# Altium PCB SVEC.pcbdoc (part 6 of 18) (continued)
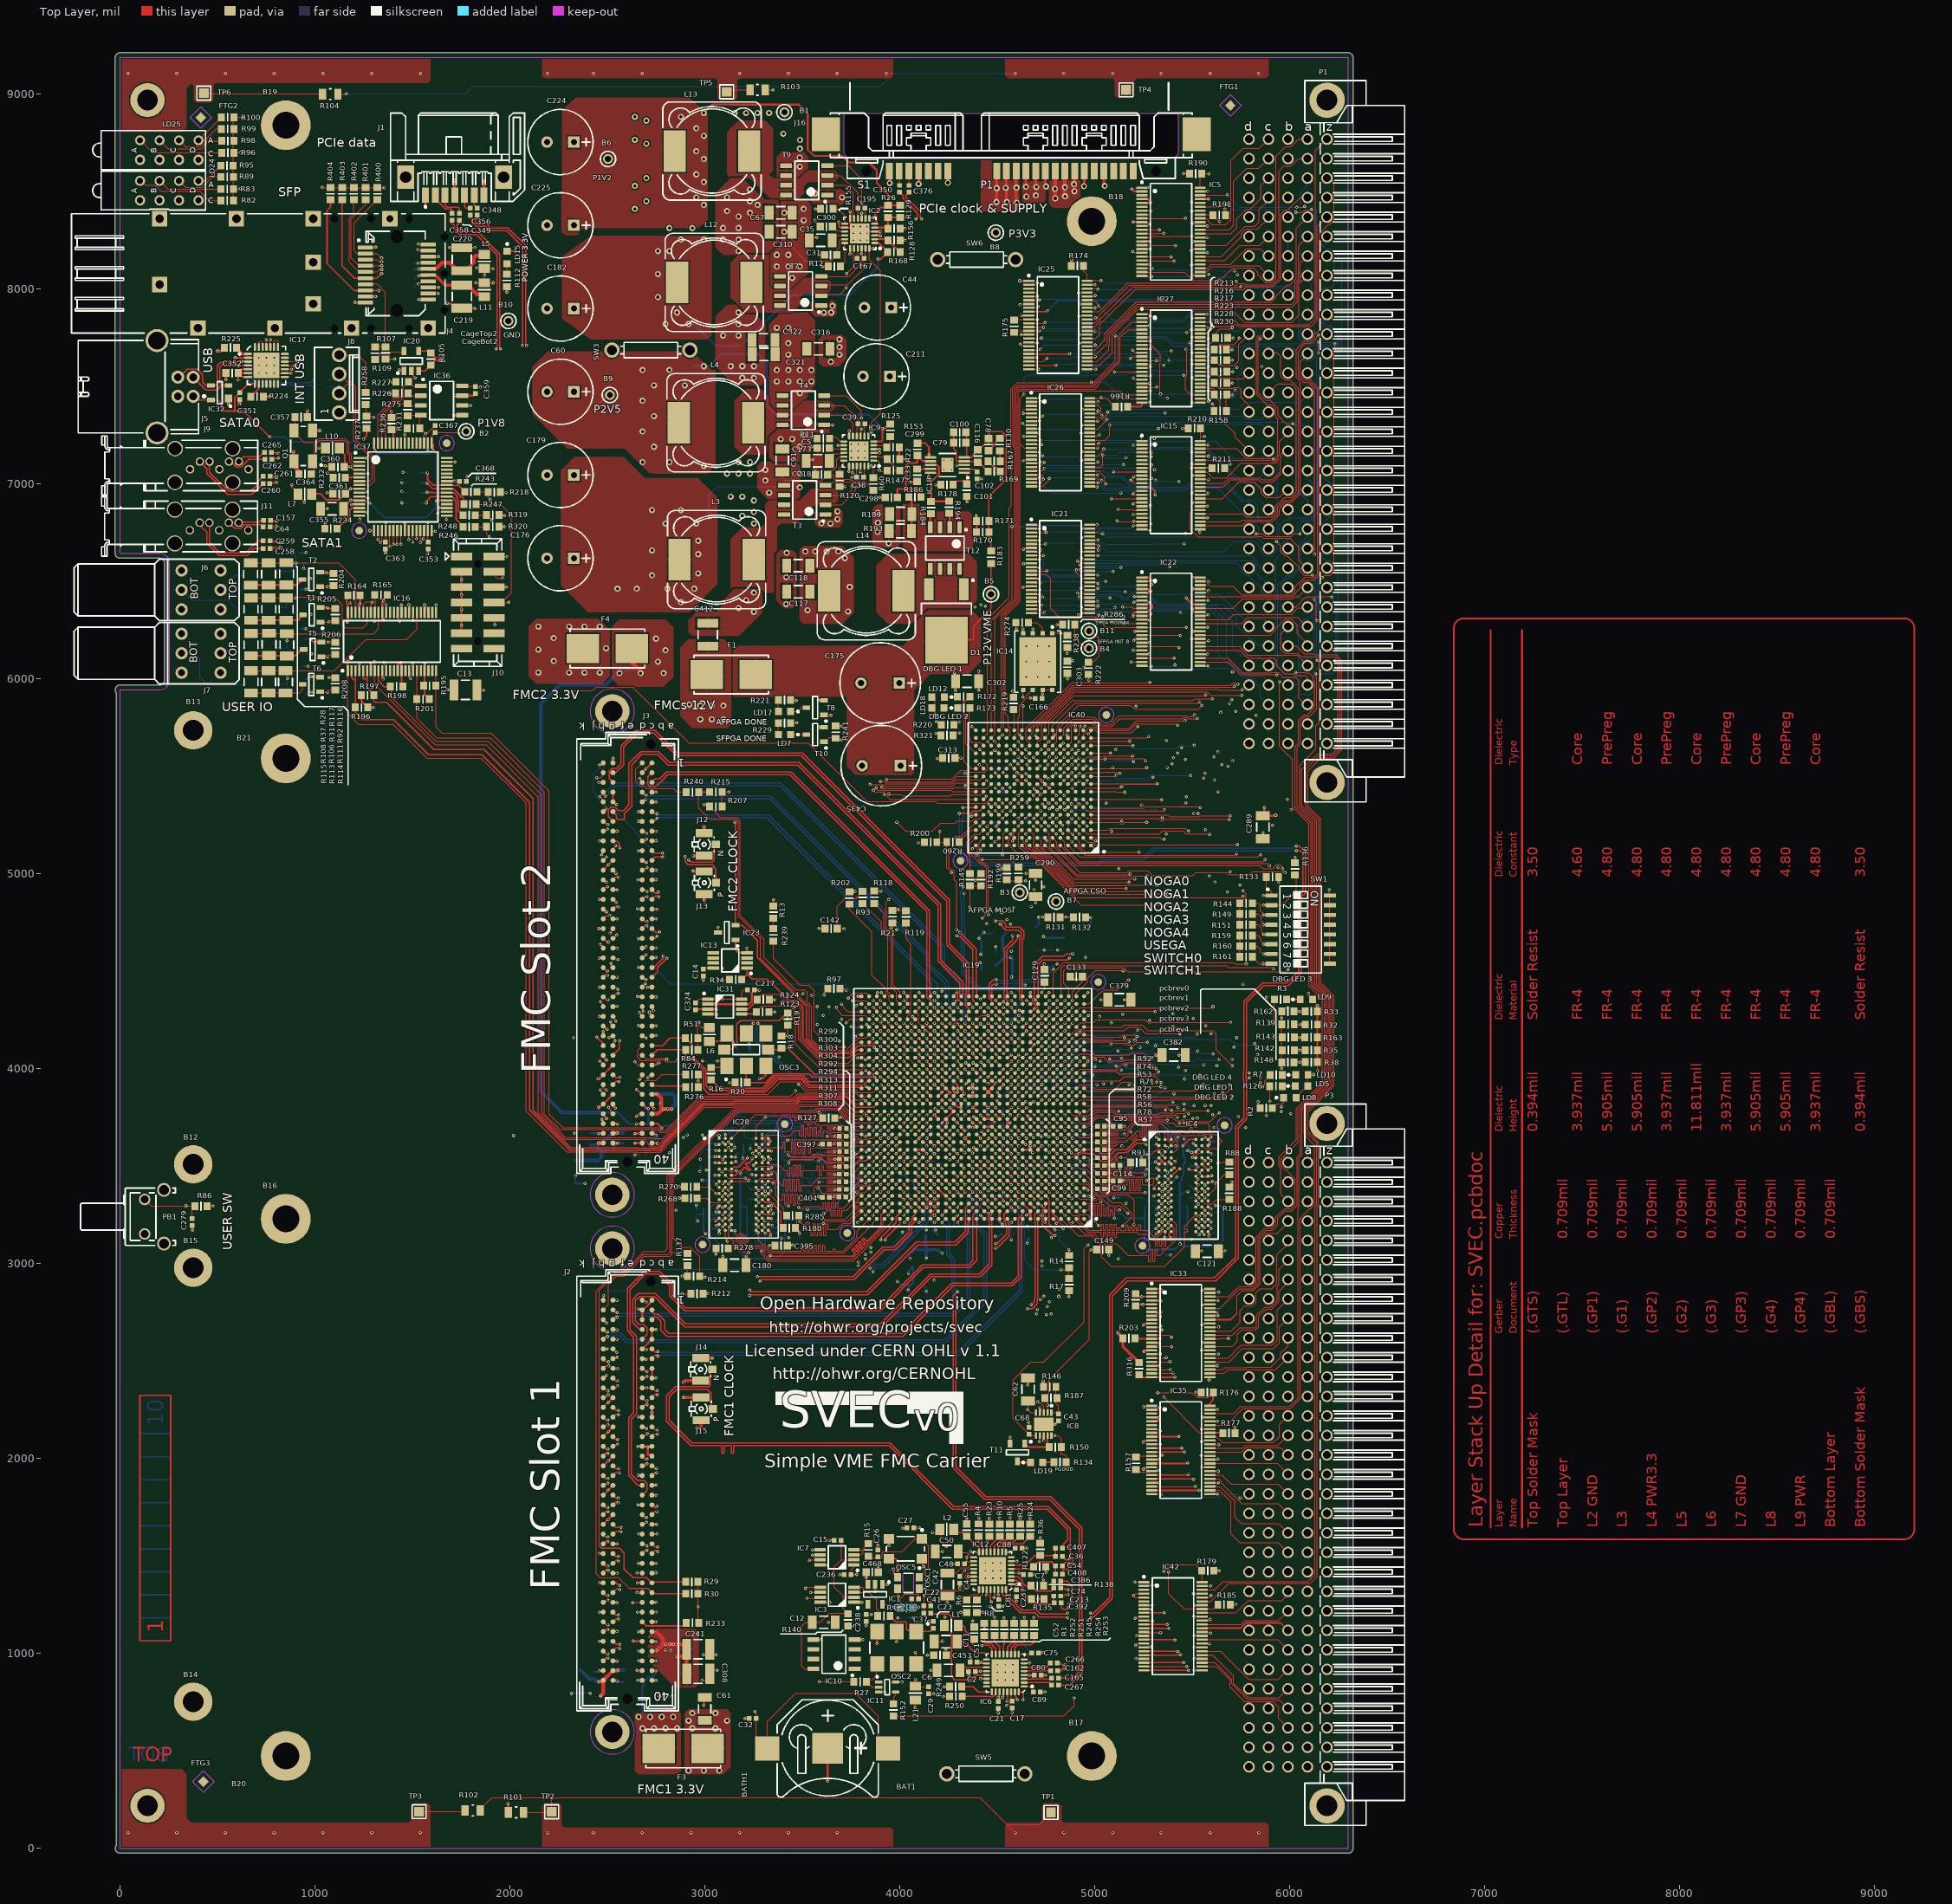
[diagram p0: Top Layer view]
## Nets (pads, with @x,y where several pads share a name; then routed paths per layer and width w, separated by ;. In a path a pad name is that pad's centre, name@x,y a point inside that pad or via, vN(x,y) a via of type N, cw(c..) or ccw(c..) an arc to the next point about the centre after c; other vN are vias at no path point) (continued)
  Bottom Layer w5: v1(2479.55,2835.51) v1@2483.84,2831.22 ; C390.2@2483.84,2814.51 v1@2483.84,2831.22 ; v1(4019.22,3406.81) 4026.1,3399.92 C387.2@4041.69,3399.92 ; C387.2@4043.55,3391.79 4043.55,3182.51 3849.93,2988.88 3840.6,2988.88 3840.36,2988.64 3837.49,2988.64 3819.49,2970.64 2716.92,2970.64 2607.78,2861.51 2502.55,2861.51 2483.55,2842.51 2483.84,2842.22 v1@2483.84,2831.22 ; v1@4298.55,3205.77 4298.55,3200.77 4308.82,3190.51 C18.2@4312.27,3190.51 ; v1@4651.55,3446.51 4667.18,3430.88 4667.18,3407.15 4692.52,3381.81 4694.47,3381.81 4712.55,3363.72 4712.55,3301.83 4706.69,3295.97 4706.69,3244.31 4751.36,3199.64 4762.14,3199.64 C378.1@4771.55,3190.22
FMC2_CLK0M2C_N: IC19.AG16 J3.h5 | length 2605.4
  Top Layer w6: v1(2460.55,5394.51) 2478.05,5377.01 J3.h5@2478.05,5368.51 ; v1@4346.55,4271.51 4346.55,4259.51 4352.8,4253.26 IC19.AG16@4353.87,4253.26
  Bottom Layer w6: v1(2460.55,5394.51) 2469.68,5403.63 2469.68,5405.32 2480.74,5416.38 2482.43,5416.38 ; 2482.45,5416.41 2489.65,5416.41 2538.76,5465.51 3389.39,5465.51 4229.43,4625.47 4229.43,4532.63 4339.55,4422.51 4345.55,4416.51 v1@4345.55,4270.51
  other v1: 4340.69,4270.64
FMC2_CLK0M2C_P: IC19.AF16 J3.h4 | length 2598.5
  Top Layer w6: J3.h4@2478.05,5418.51 2478.05,5408.01 v1(2488.55,5397.51) ; v1@4334.55,4226.51 4347.17,4213.89 IC19.AF16@4353.87,4213.89
  Bottom Layer w6: v1(2488.55,5397.51) 2490.55,5397.51 2544.55,5451.51 3383.59,5451.51 4215.43,4619.67 4215.43,4526.83 4331.55,4410.71 4331.55,4289.51 4330.87,4289.51 4321.76,4280.4 4321.76,4275.12 4319.81,4273.17 4319.81,4271.84 4321.76,4269.89 4321.76,4260.88 4330.87,4251.77 4331.87,4251.77 4334.55,4251.77 v1@4334.55,4226.51
  other v1: 4334.18,4233.58
FMC2_CLK1M2C_N: IC19.AK16 J3.g3 | length 2846.9
  Top Layer w6: J3.g3@2528.05,5468.51 2508.46,5488.1 2508.46,5526.62 2521.58,5539.75 2544.8,5539.75 2569.09,5564.04 2569.09,5655.84 2647.89,5734.64 2743.69,5734.64 2858.69,5619.64 3499.28,5619.64 4253.39,4865.53 4253.39,4639.94 4353.87,4539.46 IC19.AK16@4353.87,4371.37
FMC2_CLK1M2C_P: IC19.AH16 J3.g2 | length 2822.3
  Top Layer w6: J3.g2@2528.05,5518.51 2543.35,5518.51 2583.09,5558.24 2583.09,5650.04 2653.69,5720.64 2737.89,5720.64 2852.89,5605.64 3493.49,5605.64 4239.39,4859.74 4239.39,4634.14 4339.87,4533.66 4339.87,4385 4337.03,4382.16 4337.03,4325.03 4353.87,4308.18 IC19.AH16@4353.87,4292.63
FMC2_DP0C2M_N: IC19.AK21 J3.c3 | length 2188.8
  Top Layer w6: J3.c3@2728.05,5468.51 2745.05,5485.51 2766.89,5485.51 ; 2771.62,5490.24 2766.89,5485.51 ; IC19.AK21@4157.02,4371.37 4157.02,4384.51 4151.55,4389.97 4151.55,4811.57 3441.49,5521.64 2803.02,5521.64 2766.89,5485.51
FMC2_DP0C2M_P: IC19.AJ21 J3.c2 | length 2303.4
  Top Layer w6: J3.c2@2728.05,5518.51 2706.55,5497.01 2706.55,5456.51 2715.96,5447.1 2746.15,5447.1 2770.55,5471.51 2772.69,5471.51 2808.82,5507.64 3435.69,5507.64 4137.55,4805.77 4137.55,4367.02 4157.02,4347.55 IC19.AJ21@4157.02,4332
FMC2_DP0M2C_N: IC19.AH20 J3.c7 | length 1957.1
  Top Layer w6: J3.c7@2728.05,5268.51 2738.43,5268.51 v1(2753.55,5283.63) ; v1(4176.7,4312.32) IC19.AH20@4196.39,4292.63
  Bottom Layer w6: v1(2753.55,5283.63) 2758.43,5288.51 3316.55,5288.51 4159.55,4445.51 4159.55,4329.47 v1(4176.7,4312.32)
FMC2_DP0M2C_P: IC19.AG20 J3.c6 | length 2028.6
  Top Layer w6: J3.c6@2728.05,5318.51 2739.18,5307.38 v1(2753.55,5307.38) ; v1(4176.7,4272.95) IC19.AG20@4196.39,4253.26
  Bottom Layer w6: v1(2753.55,5307.38) 2758.43,5302.51 3323.55,5302.51 4191.69,4434.37 4191.69,4324.02 4195.58,4320.14 4195.58,4310.75 4195.69,4310.64 4195.69,4291.93 v1(4176.7,4272.95)
FMC2_E_CLK_N: C392.1 J13.1 | length 8544.7
  Top Layer w6: v1@2900.69,5087.64 2897.19,5084.14 2897.19,5061.14 2913.19,5045.14 3037,5045.14 3046.86,5035.28 3046.86,5031.64 3056.59,5021.91 J13.1@3056.59,4953.64 ; C392.1@4826.4,1259.64 4828.69,1257.36 4828.69,1232.64 4834.69,1226.64 4858.69,1226.64 4864.69,1232.64 v1(4864.69,1234.64)
  L3 w4: v1(2898.69,5088.64) 2900.69,5086.64 2885.69,5071.64 2765.83,5071.64 2737.96,5099.51 2546.96,5099.51 2510.83,5135.64 2302.55,5135.64 2195.69,5028.78 2195.69,965.36 2433.41,727.64 2577.72,727.64 2584.17,721.19 2839.38,721.19 2845.82,727.64 2890.82,772.64 3129.55,772.64 3245.55,656.64 4697.83,656.64 4797.69,756.5 4797.69,1213.51 4812.69,1228.51 4829.62,1228.51 4841.69,1240.57 4858.76,1240.57 v1(4864.69,1234.64)
FMC2_E_CLK_P: C386.1 J12.1 | length 8647.2
  Top Layer w6: v1(2916.07,5071.26) 2928.19,5059.14 3036.13,5059.14 3046,5069 3046,5140.91 J12.1@3055.73,5150.64 ; C386.1@4825.4,1371.64 4854.69,1371.64 4881.69,1344.64 4881.69,1268.64 4869.55,1256.51 v1(4865.69,1256.51)
  L3 w4: v1(2916.07,5071.26) 2906.44,5061.64 2761.69,5061.64 2733.82,5089.51 2542.82,5089.51 2506.69,5125.64 2306.69,5125.64 2205.69,5024.64 2205.69,969.51 2437.55,737.64 2581.87,737.64 2588.31,731.19 2835.23,731.19 2886.68,782.64 3133.69,782.64 3249.69,666.64 4693.69,666.64 4787.69,760.64 4787.69,1036.64 4787.69,1041.64 4747.69,1041.64 4747.69,1051.64 4787.69,1051.64 4787.69,1056.64 4787.69,1217.65 4808.55,1238.51 4825.48,1238.51 4837.55,1250.57 4859.76,1250.57 v1(4865.69,1256.51)
FMC2_GBTCLK0M2C_N: IC19.AH18 J3.d5 | length 2182.2
  Top Layer w6: v1(2696.55,5380.51) 2684.55,5368.51 J3.d5@2678.05,5368.51 2693.3,5383.76 2694.15,5384.61 2696.55,5384.61 v1@2700.65,5384.61 ; v1@4259.55,4308.51 4258.55,4309.51 4258.55,4309.21 IC19.AH18@4275.13,4292.63
  Bottom Layer w6: v1@2694.45,5378.41 v1(2696.55,5380.51) 2699.43,5383.38 3332.72,5383.38 4133.55,4582.54 4133.55,4536.71 4233.95,4436.31 4233.95,4329.31 4249.76,4313.51 4258.55,4313.51 4258.55,4309.51 v1@4259.55,4308.51
  other v1: 4255.44,4312.32
FMC2_GBTCLK0M2C_P: IC19.AG18 J3.d4 | length 2222.4
  Top Layer w6: J3.d4@2678.05,5418.51 2694.05,5402.51 2696.55,5402.51 v1(2698.55,5404.51) v1@2694.55,5404.51 ; 4261.55,4266.84 IC19.AG18@4275.13,4253.26
  Bottom Layer w6: v1@2694.55,5404.51 v1(2698.55,5404.51) 2703.68,5399.38 3336.51,5399.38 4147.55,4588.34 4147.55,4544.21 ; 4147.55,4542.51 4247.95,4442.11 4247.95,4335.11 4251.87,4331.19 4263.26,4331.19 4266.95,4327.51 4267.25,4327.51 4278.43,4316.32 4278.43,4291.38 v1@4261.55,4274.51
  other v1: 4255.44,4272.95
FMC2_LA_N0: IC19.AK17 J3.g7 | length 2883.2
  Top Layer w6: J3.g7@2528.05,5268.51 2504.46,5292.1 2504.46,5328.28 2518.28,5342.1 2537.83,5342.1 2555.22,5324.71 2582.62,5324.71 2609.69,5351.78 2609.69,5565.44 2670.89,5626.64 2761.69,5626.64 2817.69,5570.64 3481.49,5570.64 4209.69,4842.44 4209.69,4558.44 4321.69,4446.44 4321.69,4383.81 4314.5,4376.62 IC19.AK17@4314.5,4371.37
FMC2_LA_N1: IC19.AH8 J3.d9 | length 2681.5
  Top Layer w6: J3.d9@2678.05,5168.51 2690.43,5168.51 v1(2699.55,5177.63) ; IC19.AH8@4668.83,4292.63 4675.68,4292.63 v1(4688.55,4305.51)
  L8 w4: v1(2699.55,5177.63) 2699.55,5181.63 2705.43,5187.51 4241.55,5187.51 4682.43,4746.63 4682.43,4377.52 4671.69,4366.78 4671.69,4365.23 4664.69,4358.23 4664.69,4332.2 4670.55,4326.34 4671.99,4326.34 4688.55,4309.77 v1(4688.55,4305.51)
FMC2_LA_N2: IC19.AD11 J3.h8 | length 2866.9
  Top Layer w6: J3.h8@2478.05,5218.51 2488.55,5218.51 2497.8,5227.76 v1@2497.8,5230.76 ; v1(4531.03,4154.84) IC19.AD11@4550.72,4135.15
  L3 w4: v1(2500.69,5227.64) 2500.69,5217.64 2494.69,5211.64 2494.69,5200.64 2502.69,5192.64 2604.69,5192.64 2653.16,5241.11 2655.16,5243.11 2771.18,5243.11 2823.65,5190.64 3925.83,5190.64 4416.68,4699.79 4416.68,4693.76 4472.69,4637.75 4472.69,4570.64 4477.69,4565.64 4477.69,4188.5 4487.48,4178.71 4513.76,4178.71 4515.83,4176.64 4522.69,4176.64 4531.03,4168.29 v1(4531.03,4154.84)
FMC2_LA_N3: IC19.AF13 J3.g10 | length 2550.7
  Top Layer w6: J3.g10@2528.05,5118.51 2528.05,5128.01 v1@2542.69,5142.64 ; 4459.55,4228.51 4459.55,4226.32 IC19.AF13@4471.98,4213.89
  L3 w4: v1@2542.69,5142.64 2549.14,5149.09 3893.94,5149.09 4438.43,4604.6 4438.43,4576.62 4438.42,4247.45 v1(4452.29,4233.58)
  other v1: 2541.69,5143.64
FMC2_LA_N4: IC19.AK15 J3.h11 | length 2364
  Top Layer w6: J3.h11@2478.05,5068.51 2492.69,5083.14 v1(2492.69,5086.64) ; v1@4306.59,4699.54 4307.3,4698.82 4307.59,4698.54 4390.43,4615.7 4390.43,4410.74 4393.24,4407.93 IC19.AK15@4393.24,4371.37
  L3 w4: v1(2492.69,5086.64) 2500.69,5078.64 2606.12,5078.64 2744.12,4940.64 4035.14,4940.64 4276.15,4699.63 4302.55,4699.63 4306.7,4699.63 v1(4307.69,4698.64)
FMC2_LA_N5: IC19.AF11 J3.d12 | length 2556.5
  Top Layer w6: J3.d12@2678.05,5018.51 2687.55,5018.51 2702.55,5033.51 2702.55,5034.51 v1@2704.65,5032.41 ; 4539.55,4231.51 4539.55,4229.51 4535.55,4229.51 4534.55,4228.51 4536.11,4228.51 IC19.AF11@4550.72,4213.89
  L8 w4: v1@2701.69,5033.64 2705.55,5037.51 4253.17,5037.51 4278.43,5012.25 4278.43,4998.63 4280.43,4996.63 4280.43,4995.87 4328.92,4947.38 4329.3,4947.38 4337.43,4939.25 4337.43,4938.87 4468.68,4807.62 4468.68,4804.79 4483.84,4789.63 4487.43,4789.63 4533.55,4743.51 4533.55,4675.51 4543.12,4665.94 4543.12,4639.28 4541.68,4637.84 4541.68,4352 4544.91,4348.78 4544.91,4244.86 4534.55,4234.51 4534.55,4228.51 v1@4535.55,4229.51
  other v1: 4531.03,4233.58 2701.69,5030.64
FMC2_LA_N6: IC19.AE10 J3.c11 | length 2671.7
  Top Layer w6: J3.c11@2728.05,5068.51 2745.19,5085.64 v1(2782.69,5085.64) ; v1@4576.55,4193.51 4574.55,4193.51 4574.55,4190.06 IC19.AE10@4590.09,4174.52
  L8 w4: v1(2782.69,5085.64) 2781.69,5085.64 2786.69,5090.64 2789,5090.64 2793.69,5095.33 2793.69,5097.64 2809.55,5113.51 4238.55,5113.51 4376.74,4975.32 4373.68,4972.25 4373.68,4960.76 4381.81,4952.63 4393.3,4952.63 4396.36,4955.7 4620.43,4731.63 4620.43,4675.76 4616.55,4671.89 4616.55,4464.51 4584.55,4432.51 4584.55,4213.89 4576.55,4205.89 v1@4576.55,4193.51
  other v1: 4570.4,4194.21
FMC2_LA_N7: IC19.AE12 J3.h14 | length 2681.8
  Top Layer w6: J3.h14@2478.05,4918.51 2493.39,4933.84 2498.35,4933.84 v1(2499.69,4932.64) v1@2500.55,4931.63 ; v1@4496.55,4188.51 4510.54,4174.52 IC19.AE12@4511.35,4174.52
  L8 w4: v1(2499.69,4932.64) 2514.69,4947.64 2572.69,4947.64 2609.69,4984.64 2682.69,4984.64 4168.66,4984.64 4334.68,4818.62 4348.67,4804.63 4433.67,4719.63 4434.67,4719.63 4440.7,4719.63 4501.31,4659.02 4500.81,4658.53 4500.81,4638.75 4506.43,4633.14 4506.43,4427.76 4506.29,4427.63 4506.29,4267.96 4506.29,4208.84 v1(4491.66,4194.21)
FMC2_LA_N8: IC19.AC12 J3.g13 | length 2628.7
  Top Layer w6: J3.g13@2528.05,4968.51 2543.31,4983.77 2551.51,4983.77 2552.25,4984.51 2552.68,4984.51 v1@2555.55,4981.63 ; v1(4491.66,4115.47) IC19.AC12@4511.35,4095.78
  L3 w4: v1(2556.69,4982.64) 2554.55,4982.64 2554.12,4983.07 2554.12,4981.21 2558.69,4976.64 2558.69,4968.64 2583.69,4943.64 2583.69,4909.64 2647.82,4845.51 4091.96,4845.51 4395.84,4541.63 4395.84,4323.79 4397.43,4322.21 4397.43,4308.19 4398.43,4307.19 4398.43,4221.04 4438.42,4181.05 4438.42,4109.72 4447.36,4100.78 4476.98,4100.78 v1(4491.66,4115.47)
FMC2_LA_N9: IC19.Y13 J3.d15 | length 2657.8
  Top Layer w6: J3.d15@2678.05,4868.51 2694.19,4884.64 2702.69,4884.64 v1(2702.69,4882.64) ; v1(4452.29,3957.99) IC19.Y13@4471.98,3977.67
  L8 w4: v1@2702.69,4884.64 2703.69,4883.64 2703.69,4882.64 2761.69,4940.64 4155.66,4940.64 4467.68,4628.62 4467.68,4616.62 4467.69,3973.38 v1(4452.29,3957.99)
FMC2_LA_N10: IC19.AA14 J3.c15 | length 2435.5
  Top Layer w6: J3.c15@2728.05,4868.51 2746.05,4886.51 2758.55,4886.51 2761.55,4883.51 v1@2761.55,4881.63 ; v1@4418.55,4030.51 4432.02,4017.04 IC19.AA14@4432.61,4017.04
  L8 w4: v1(2761.69,4881.64) 2768.69,4888.64 3756.66,4888.64 3759.67,4885.63 3779.44,4885.63 3782.45,4888.64 3891.66,4888.64 3892.67,4887.63 3912.44,4887.63 3913.45,4888.64 4148.69,4888.64 4429.69,4607.64 4429.69,4332.64 4428.42,4331.37 4428.42,4245.95 4428.11,4245.64 4428.11,4046.06 v1(4414.69,4032.64)
FMC2_LA_N11: IC19.AB16 J3.h17 | length 2428.4
  Top Layer w6: J3.h17@2478.05,4768.51 2494.05,4784.51 2501.68,4784.51 v1@2504.55,4781.63 ; v1@4331.1,4080.96 4331.1,4079.19 IC19.AB16@4353.87,4056.41
  L8 w4: v1@2504.69,4785.64 2504.69,4776.64 2531.69,4749.64 2621.83,4749.64 2715.83,4655.64 2859.69,4655.64 2896.69,4692.64 4059.67,4692.64 4062.5,4692.64 4318.69,4436.46 4318.69,4089.78 4325.22,4083.25 4325.22,4082.11 4331.1,4076.24 v1(4331.1,4076.1)
  other v1: 2510.56,4785.62
FMC2_LA_N12: IC19.AF15 J3.g16 | length 2292.2
  Top Layer w6: J3.g16@2528.05,4818.51 2543.18,4833.63 2551.87,4833.63 2552.21,4833.97 v1@2554.55,4831.63 ; v1@4374.55,4231.51 4392.17,4213.89 IC19.AF15@4393.24,4213.89
  L3 w4: v1(2554.69,4831.64) 2553.69,4831.64 2553.69,4828.64 2584.69,4797.64 4084.69,4797.64 4350.69,4531.64 4350.69,4294.4 4364.56,4280.53 4364.56,4242.57 v1(4373.55,4233.58) ; v1@4374.55,4231.51 v1@4375.09,4232.04
FMC2_LA_N13: IC19.AD15 J3.d18 | length 2313.9
  Top Layer w6: J3.d18@2678.05,4718.51 2694.05,4734.51 2701.68,4734.51 v1@2704.55,4731.63 ; v1@4376.55,4149.51 4390.91,4135.15 IC19.AD15@4393.24,4135.15
  L8 w4: v1(2701.99,4732.71) 2705.92,4736.64 2758.69,4736.64 2857.55,4835.51 3979.55,4835.51 3988.55,4844.51 4089.55,4844.51 4387.68,4546.38 4387.68,4526.51 4387.68,4160.63 v1@4376.55,4149.51
  other v1: 4373.55,4154.84
FMC2_LA_N14: IC19.AA15 J3.c19 | length 2311.5
  Top Layer w6: J3.c19@2728.05,4668.51 2742.55,4668.51 v1(2753.69,4679.64) ; v1@4379.55,4029.51 4392.02,4017.04 IC19.AA15@4393.24,4017.04
  L8 w4: v1(2753.69,4679.64) 2750.81,4682.51 2750.81,4708.22 2760.11,4717.51 2764.42,4717.51 2769.55,4722.64 2833.55,4722.64 2882.55,4771.64 3252.83,4771.64 4087.83,4771.64 4364.56,4494.91 4364.56,4322.95 4359.68,4318.06 4359.68,4306.57 4364.56,4301.69 4364.56,4260.75 4359.68,4255.87 4359.68,4127.64 4359.68,4045.65 v1(4375.69,4029.64)
FMC2_LA_N15: IC19.AA17 J3.h20 | length 2395.1
  Top Layer w6: v1(2461.69,4636.64) 2478.05,4620.27 J3.h20@2478.05,4618.51 ; v1(4294.81,4036.73) IC19.AA17@4314.5,4017.04
  L8 w4: v1(2461.69,4636.64) 2493.69,4668.64 2531.83,4668.64 2582.76,4617.71 2591.84,4608.63 2740.81,4608.63 2742.81,4606.63 2754.3,4606.63 2756.3,4608.63 2862.68,4608.63 2899.17,4645.12 2901.17,4647.12 4025.72,4647.12 4275.81,4397.02 4275.81,4351.39 4275.81,4339.89 4280,4335.7 4280,4050.22 4293.5,4036.73 v1(4294.81,4036.73)
FMC2_LA_N16: IC19.AC14 J3.g19 | length 2425
  Top Layer w6: J3.g19@2528.05,4668.51 2544.05,4684.51 2547.68,4684.51 v1@2550.55,4681.63 ; v1@4415.55,4111.51 4431.28,4095.78 IC19.AC14@4432.61,4095.78
  L3 w4: v1(2546.69,4685.64) 2631.31,4685.64 2653.69,4708.02 2720.07,4708.02 2782.69,4770.64 2784.69,4772.64 4053.69,4772.64 4275.81,4550.51 4275.81,4339.89 4280.69,4335.02 4280.69,4283.64 4320.31,4244.02 4320.31,4227.83 4328.44,4219.7 4343.62,4219.7 4358.06,4205.27 4358.06,4184.32 4357.69,4183.95 4357.69,4165.1 4358.06,4164.73 4358.06,4150.71 4369.13,4139.64 4389,4139.64 4403.69,4124.95 4403.69,4124.7 v1(4412.92,4115.47) ; v1@4415.55,4112.51 v1@4415.72,4112.67
  L5 w4: v1@4415.55,4111.51 v1@4415.55,4112.51
FMC2_LA_N17: IC19.AD16 J3.d21 | length 2229
  Top Layer w6: J3.d21@2678.05,4568.51 2696.05,4586.51 v1@2701.68,4586.51 ; v1@4333.55,4154.51 4352.91,4135.15 IC19.AD16@4353.87,4135.15
  L3 w4: v1(2698.69,4583.64) 2694.69,4583.64 2682.69,4595.64 2682.69,4632.64 2698.85,4648.81 2766.77,4648.81 2865.34,4747.38 4001.09,4747.38 4241.57,4506.9 4241.57,4227.83 4289.76,4179.64 4315.69,4179.64 4334.18,4161.14 v1(4334.18,4154.84)
FMC2_LA_N18: IC19.AF21 J3.c23 | length 1845.9
  Top Layer w6: J3.c23@2728.05,4468.51 2755.69,4496.14 2755.69,4517.64 2803.69,4565.64 v1(2804.69,4565.64) ; 4128.81,4233.51 4133.03,4229.28 4148.42,4213.89 IC19.AF21@4157.02,4213.89
  L3 w4: v1(2804.69,4565.64) 2814.69,4565.64 2888.69,4639.64 3249.69,4639.64 3264.69,4624.64 3980.42,4624.64 4151.21,4453.85 4151.21,4247.45 v1(4137.33,4233.58)
FMC2_LA_N19: IC19.AF23 J3.h23 | length 1945.5
  Top Layer w6: J3.h23@2478.05,4468.51 2493.31,4483.77 2497.42,4483.77 v1@2499.55,4481.63 ; v1@4061.55,4226.51 4074.17,4213.89 IC19.AF23@4078.28,4213.89
  L3 w4: v1(2499.69,4480.64) 2502.43,4483.38 2660.18,4483.38 2690.44,4513.64 2852.83,4513.64 2912.83,4573.64 3945.69,4573.64 4069.69,4449.64 4069.69,4294.5 4083.62,4280.57 4083.62,4253.95 4063.24,4233.58 v1(4058.59,4233.58)
FMC2_LA_N20: IC19.AF19 J3.g22 | length 2165.4
  Top Layer w6: v1(2517.69,4539.64) 2517.69,4528.87 J3.g22@2528.05,4518.51 ; v1@4214.55,4231.51 4216.07,4231.51 4218.14,4231.51 IC19.AF19@4235.76,4213.89
  L3 w4: v1(2517.69,4539.64) 2517.69,4555.64 2541.69,4579.64 2555.55,4579.64 2556.9,4581 2592.33,4581 2612.69,4560.64 2704.93,4560.64 2745.93,4601.64 2763.55,4601.64 2844.55,4682.64 4003.34,4682.64 4200.69,4485.29 4200.69,4248.96 v1(4216.07,4233.58) ; v1@4214.55,4231.51 4216.07,4231.51 4216.55,4231.51 v1@4217.35,4232.3
FMC2_LA_N21: IC19.AE22 J3.h26 | length 1859
  Top Layer w6: v1(2461.69,4343.64) 2478.05,4327.27 J3.h26@2478.05,4318.51 ; v1@4102.55,4194.51 4102.55,4189.62 IC19.AE22@4117.65,4174.52
  L3 w4: v1(2461.69,4343.64) 2462.69,4343.64 2488.56,4369.51 2553.96,4369.51 2580.83,4342.64 2967.69,4342.64 3011.69,4386.64 3387.83,4386.64 3416.83,4357.64 3710.83,4357.64 3780.3,4288.17 3781.71,4286.76 3781.71,4230.84 3832.22,4180.33 4084.09,4180.33 v1(4097.96,4194.21) ; v1@4102.55,4194.51 v1@4102.93,4194.88
FMC2_LA_N22: IC19.AF24 J3.g25 | length 1828.2
  Top Layer w6: J3.g25@2528.05,4368.51 2546.05,4386.51 ; v1@4018.55,4233.51 4019.22,4233.51 4019.29,4233.51 IC19.AF24@4038.91,4213.89
  L3 w4: v1(2554.69,4386.64) 2577.83,4386.64 2656.57,4465.38 2667.63,4465.38 2674.89,4472.64 2703.69,4472.64 2888.69,4472.64 2949.69,4533.64 3904.42,4533.64 4036.43,4401.63 4036.43,4304.76 4030.68,4299.01 4030.68,4245.63 v1@4018.55,4233.51
  L5 w4: v1@2553.69,4387.64 v1(2554.69,4386.64)
  other v1: 4019.22,4233.58
FMC2_LA_N23: IC19.AG25 J3.d24 | length 1517.8
  Top Layer w6: J3.d24@2678.05,4418.51 2693.69,4434.14 v1(2693.69,4435.64) ; 3985.55,4267.51 3999.54,4253.52 IC19.AG25@3999.54,4253.26
  L3 w4: v1(2693.69,4435.64) 2699.69,4441.64 2912.83,4441.64 2940.83,4469.64 3059.07,4469.64 3061.81,4472.38 3918.15,4472.38 3991.29,4399.24 3991.29,4284.38 v1(3979.85,4272.95)
FMC2_LA_N24: IC19.AC21 J3.h29 | length 2074.6
  Top Layer w6: v1(2477.69,4189.64) 2478.05,4189.27 J3.h29@2478.05,4168.51 ; v1@4137.92,4114.88 IC19.AC21@4157.02,4095.78
  L8 w4: v1(2477.69,4189.64) 2481.81,4193.77 2481.81,4209.22 2496.24,4223.64 2622.69,4223.64 2647.69,4248.64 2826.75,4248.64 2994.15,4416.04 3112.94,4416.04 3197.12,4500.21 3200.05,4503.14 3830.33,4503.14 3833.26,4500.21 3999.69,4333.78 3999.69,4306.64 4044.72,4261.61 4044.72,4227.83 4044.96,4227.59 4044.96,4200.19 4044.72,4199.95 4044.72,4188.33 4054.34,4178.71 4068.48,4178.71 4082.47,4164.73 4082.47,4150.71 4098.8,4134.38 4107.85,4134.38 4126.77,4115.47 v1(4137.33,4115.47)
FMC2_LA_N25: IC19.AD17 J3.g28 | length 1928.6
  Top Layer w6: v1(2515.69,4239.64) 2515.69,4230.87 J3.g28@2528.05,4218.51 ; v1(4294.81,4154.84) IC19.AD17@4314.5,4135.15
  L3 w4: v1(2515.69,4239.64) 2515.69,4240.09 2547.24,4271.64 2746.83,4271.64 3034.83,4271.64 3049.83,4256.64 3376.69,4256.64 3401.6,4281.55 3463.74,4281.55 3570.65,4174.64 3719.83,4174.64 3755.13,4139.34 4279.32,4139.34 v1(4294.81,4154.84)
FMC2_LA_N26: IC19.AD19 J3.d27 | length 2088.2
  Top Layer w6: v1(2661.69,4287.64) J3.d27@2678.05,4271.27 ; 4222.55,4148.51 4222.4,4148.51 IC19.AD19@4235.76,4135.15
  L8 w4: v1(2661.69,4287.64) 2661.69,4341.95 2671.69,4351.95 2671.69,4354.78 2918.55,4601.64 4009.79,4601.64 4201.81,4409.62 4201.81,4318.45 4202.2,4318.06 4202.2,4165.13 4212.49,4154.84 v1(4216.07,4154.84)
FMC2_LA_N27: IC19.AC20 J3.c27 | length 1944.8
  Top Layer w6: v1(2714.69,4289.64) 2728.05,4276.27 J3.c27@2728.05,4268.51 ; v1(4176.7,4115.47) IC19.AC20@4196.39,4095.78
  L8 w4: v1(2714.69,4289.64) 2714.69,4312.78 2960.55,4558.64 3842.83,4558.64 3902.83,4558.64 4083.69,4377.78 4083.69,4281.92 4088.3,4277.3 4088.3,4243.03 4111.62,4219.7 4146.62,4219.7 4153.56,4212.77 4153.56,4172.37 4161.21,4164.73 4161.21,4130.96 v1(4176.7,4115.47)
FMC2_LA_N28: IC19.AC22 J3.h32 | length 1761.3
  Top Layer w6: v1(2460.69,4040.64) 2478.05,4023.27 J3.h32@2478.05,4018.51 ; v1@4095.55,4110.51 4110.28,4095.78 IC19.AC22@4117.65,4095.78
  L8 w4: v1(2460.69,4040.64) 2492.69,4072.64 3346.83,4072.64 3373.7,4045.77 3385.43,4045.77 3392.31,4052.64 3764.8,4052.64 3775.81,4041.63 3799.06,4041.63 3819.65,4062.22 4060.27,4062.22 4097.96,4099.92 v1(4097.96,4110.51)
FMC2_LA_N29: IC19.AD24 J3.g31 | length 1629.2
  Top Layer w6: J3.g31@2528.05,4068.51 2560.69,4101.14 2560.69,4142.64 v1(2562.69,4144.64) ; v1@4020.55,4153.51 IC19.AD24@4038.91,4135.15
  L8 w4: v1(2562.69,4144.64) 2564.69,4144.64 2607.69,4101.64 3703.07,4101.64 3707.94,4096.77 3861.94,4096.77 3862.94,4095.77 3874.43,4095.77 3880.26,4101.59 3985.6,4101.59 3993.73,4109.72 3993.73,4112.42 4019.22,4137.92 v1(4019.22,4154.84)
FMC2_LA_N30: IC19.Y20 J3.h35 | length 1819.5
  Top Layer w6: v1(2462.69,3891.64) 2462.55,3891.51 2462.55,3888.51 2478.05,3873.01 J3.h35@2478.05,3868.51 ; v1@4176.55,3995.51 4194.39,3977.67 IC19.Y20@4196.39,3977.67
  L8 w4: v1(2462.69,3891.64) 2474.24,3891.64 2490.11,3907.51 2503.26,3907.51 2509.14,3901.64 2571.55,3901.64 2647.54,3977.63 3830.3,3977.63 3834.53,3981.86 4161.21,3981.86 v1(4176.7,3997.36)
FMC2_LA_N31: IC19.AA21 J3.g34 | length 1732.7
  Top Layer w6: J3.g34@2528.05,3918.51 2544.05,3934.51 2553.68,3934.51 2556.12,3932.07 v1@2556.55,3931.63 ; v1(4137.33,4036.73) IC19.AA21@4157.02,4017.04
  L8 w4: v1@2557.69,3933.64 2557.69,3936.19 2545.81,3948.06 2545.81,3983.91 2577.55,4015.64 3846.26,4015.64 3851.85,4021.23 4121.84,4021.23 v1(4137.33,4036.73)
  other v1: 2557.69,3932.64
FMC2_LA_N32: IC19.Y19 J3.h38 | length 2027.1
  Top Layer w6: v1(2471.69,3739.64) 2471.69,3741.64 2478.05,3735.27 J3.h38@2478.05,3718.51 ; v1(4216.07,3997.36) IC19.Y19@4235.76,3977.67
  L3 w4: v1(2471.69,3739.64) 2471.69,3744.09 2488.11,3760.51 2501.26,3760.51 2505.66,3756.11 2588.16,3756.11 2674.44,3842.39 2747.08,3842.39 2988.2,4083.51 3838.96,4083.51 3859.79,4062.68 3869.55,4062.68 3887.24,4044.99 3887.24,3991.61 3895.37,3983.48 4202.2,3983.48 v1(4216.07,3997.36)
FMC2_LA_N33: IC19.AB19 J3.g37 | length 1990.3
  Top Layer w6: v1(2505.1,3801.19) 2508.55,3797.74 2508.55,3793.51 2528.05,3774.01 J3.g37@2528.05,3768.51 ; v1(4216.07,4076.1) IC19.AB19@4235.76,4056.41
  L3 w4: v1(2505.1,3801.19) 2517.43,3813.51 2546.26,3813.51 2554.27,3805.51 2584.41,3805.51 2933.54,4154.63 3525.84,4154.63 3555.83,4124.64 3693.93,4124.64 3703.8,4134.51 3727.96,4134.51 3737.83,4124.64 3751.83,4110.64 3842.95,4110.64 3857.82,4095.77 3874.43,4095.77 3879.31,4100.64 4032.69,4100.64 4071.11,4062.22 4202.2,4062.22 v1(4216.07,4076.1)
FMC2_LA_P0: IC19.AJ17 J3.g6 | length 2856.6
  Top Layer w6: J3.g6@2528.05,5318.51 2543.69,5302.87 2543.69,5288.64 2554.69,5277.64 2581.69,5277.64 2586.69,5282.64 2586.69,5308.84 2611.52,5333.67 2611.52,5333.81 2623.69,5345.98 2623.69,5559.64 2676.69,5612.64 2755.89,5612.64 2811.89,5556.64 3475.69,5556.64 4195.69,4836.64 4195.69,4552.64 4307.69,4440.64 4307.69,4389.6 4296.69,4378.6 4296.69,4359.71 4314.5,4341.9 IC19.AJ17@4314.5,4332
FMC2_LA_P1: IC19.AG8 J3.d8 | length 2767.7
  Top Layer w6: J3.d8@2678.05,5218.51 2686.43,5218.51 v1(2699.55,5205.38) ; IC19.AG8@4668.83,4253.26 4670.31,4253.26 4686.55,4269.51 v1@4685.55,4269.51
  L8 w4: v1(2699.55,5205.38) 2705.43,5199.51 4246.52,5199.51 4682.43,4763.6 4694.43,4751.6 4694.43,4375.38 ; 4687.69,4331.64 4681.68,4337.65 ; v1(4688.51,4272.95) 4706.43,4290.86 4706.43,4312.91 4681.68,4337.66 ; 4681.68,4337.66 4681.68,4358.25 ; 4681.68,4358.25 4681.68,4361.08 ; 4681.69,4358.26 4681.69,4361.09 ; 4681.69,4361.09 4681.69,4362.64 4694.43,4375.38 ; 4681.69,4361.09 4694.43,4373.83 4694.43,4375.38
FMC2_LA_P2: IC19.AC11 J3.h7 | length 2959.9
  Top Layer w6: J3.h7@2478.05,5268.51 2482.82,5268.51 2499.69,5251.64 v1@2501.55,5251.64 ; v1@2502.69,5251.64 v1@2501.55,5251.64 ; v1@2503.55,5255.38 2500.68,5252.51 v1@2501.55,5251.64 ; v1(4531.03,4115.47) IC19.AC11@4550.72,4095.78
  L3 w4: v1(2502.69,5253.64) 2491.69,5253.64 2481.69,5243.64 2481.69,5196.64 2491.26,5187.07 2494.12,5187.07 2498.55,5182.64 2608.83,5182.64 2613.26,5187.07 2659.3,5233.11 2767.04,5233.11 2819.51,5180.64 3921.69,5180.64 4406.68,4695.65 4406.68,4689.62 4462.69,4633.61 4462.69,4566.5 4467.69,4561.5 4467.69,4181.64 4480.62,4168.71 4509.62,4168.71 4515.16,4163.17 4515.16,4131.34 v1(4531.03,4115.47)
FMC2_LA_P3: IC19.AE13 J3.g9 | length 2592.8
  Top Layer w6: J3.g9@2528.05,5168.51 2529.92,5166.64 2548.69,5166.64 2560.69,5154.64 2560.69,5133.64 v1(2561.69,5132.64) ; v1@4456.55,4191.51 4471.98,4176.08 IC19.AE13@4471.98,4174.52
  L3 w4: v1(2561.69,5132.64) 2568.14,5139.09 3889.8,5139.09 4428.42,4600.47 4428.42,4592.26 4428.43,4580.76 4428.42,4322.21 4428.42,4235 4452.29,4211.13 v1(4452.29,4194.21)
FMC2_LA_P4: IC19.AJ15 J3.h10 | length 2432.2
  Top Layer w6: v1(2469.69,5097.64) 2472.69,5094.64 2473.69,5095.64 2473.69,5114.14 J3.h10@2478.05,5118.51 ; v1@4294.69,4679.64 4306.69,4679.64 4373.56,4612.77 4373.56,4351.69 IC19.AJ15@4393.24,4332
  L3 w4: v1(2469.69,5097.64) 2476.81,5090.51 2476.81,5080.06 2488.24,5068.64 2601.98,5068.64 2739.98,4930.64 4031,4930.64 4272,4689.63 4284.62,4689.63 v1@4291.37,4682.89 ; v1(4291.69,4682.64) 4291.44,4682.89 v1@4291.37,4682.89 ; v1@4295.85,4687.37 v1@4291.37,4682.89
FMC2_LA_P5: IC19.AE11 J3.d11 | length 2624.6
  Top Layer w6: J3.d11@2678.05,5068.51 2691.18,5055.38 2701.55,5055.38 2700.81,5054.64 v1@2700.69,5054.64 ; J3.d11@2682.05,5072.51 v1@2698.05,5056.51 ; v1@4534.55,4188.51 4536.74,4188.51 IC19.AE11@4550.72,4174.52
  L8 w4: v1@2700.69,5054.64 2700.81,5054.64 2701.55,5055.38 2707.43,5049.51 4258.15,5049.51 4290.43,5017.22 4290.43,5000.39 4347.43,4943.39 4347.43,4943.01 4488.81,4801.63 4489.57,4801.63 4545.55,4745.65 4545.55,4680.48 4555.12,4670.91 4555.12,4634.31 4553.68,4632.87 4553.68,4354.15 4554.91,4352.92 4554.91,4218.08 v1(4531.03,4194.21)
  other v1: 2700.69,5057.64
FMC2_LA_P6: IC19.AD10 J3.c10 | length 2722
  Top Layer w6: J3.c10@2728.05,5118.51 2739.92,5106.64 v1(2781.69,5106.64) ; v1@4569.55,4153.51 4587.91,4135.15 IC19.AD10@4590.09,4135.15
  L8 w4: v1(2781.69,5106.64) 2800.55,5125.51 4243.52,5125.51 4388.65,4980.38 4393.3,4980.38 4401.43,4972.25 4401.43,4967.6 4596.55,4772.48 4632.43,4736.6 4632.43,4670.79 4628.55,4666.91 4628.55,4459.54 4595.9,4426.88 4595.9,4247.47 4594.81,4246.39 4594.81,4234.89 4595.9,4233.81 4595.9,4174.85 4574.55,4153.51 v1@4569.55,4153.51
  other v1: 4570.4,4154.84
FMC2_LA_P7: IC19.AD12 J3.h13 | length 2749.7
  Top Layer w6: J3.h13@2478.05,4968.51 2494.05,4952.51 2497.68,4952.51 v1@2500.55,4955.38 ; v1@4497.55,4154.51 4511.35,4140.71 IC19.AD12@4511.35,4135.15
  L8 w4: v1(2496.69,4956.64) 2496.69,4952.78 2496.76,4952.71 2502.83,4958.78 2569.69,4958.78 2605.55,4994.64 4172.8,4994.64 4437.81,4729.63 4444.84,4729.63 4511.31,4663.16 4511.31,4654.88 4510.81,4654.39 4510.81,4642.89 4516.43,4637.28 4516.43,4268.09 4516.29,4267.96 4516.29,4204.7 4508.88,4197.28 4508.88,4172.05 v1(4491.66,4154.84)
FMC2_LA_P8: IC19.AB12 J3.g12 | length 2653.9
  Top Layer w6: J3.g12@2528.05,5018.51 v1@2544.05,5002.51 ; v1(4491.66,4076.1) IC19.AB12@4511.35,4056.41
  L3 w4: v1(2543.69,5002.64) 2540.69,5002.64 2540.69,4969.64 2573.69,4936.64 2573.69,4905.5 2643.68,4835.51 4087.82,4835.51 4384.69,4538.64 4384.69,4320.8 4387.43,4318.06 4387.43,4304.05 4388.43,4303.05 4388.43,4216.9 4390.43,4214.9 4428.42,4176.91 4428.42,4105.58 4443.22,4090.78 4476.98,4090.78 v1(4491.66,4076.1)
FMC2_LA_P9: IC19.W14 J3.d14 | length 2694.2
  Top Layer w6: J3.d14@2678.05,4918.51 2688.82,4918.51 v1@2695.55,4911.77 ; IC19.W14@4432.61,3938.3 v1@4452.29,3918.62
  L8 w4: v1@2701.91,4904.39 2703.44,4904.39 2749.69,4950.64 4159.8,4950.64 4477.68,4632.76 4477.68,4620.76 4477.69,3948.64 v1(4452.69,3923.64)
  other v1: 2701.69,4908.64
FMC2_LA_P10: IC19.Y14 J3.c14 | length 2493.4
  Top Layer w6: J3.c14@2728.05,4918.51 2746.05,4900.51 2758.55,4900.51 2761.55,4903.51 v1@2761.55,4905.38 ; 4418.55,3991.51 4418.78,3991.51 IC19.Y14@4432.61,3977.67
  L8 w4: v1(2760.69,4905.64) 2767.69,4898.64 3760.8,4898.64 3763.81,4895.63 3775.3,4895.63 3778.31,4898.64 3895.8,4898.64 3896.81,4897.63 3908.3,4897.63 3909.31,4898.64 4152.83,4898.64 4437.69,4613.78 4439.69,4611.78 4439.69,4319.33 4438.42,4318.06 4438.42,4278.69 4438.42,4022.85 v1(4412.92,3997.36)
FMC2_LA_P11: IC19.Y16 J3.h16 | length 2513.4
  Top Layer w6: J3.h16@2478.05,4818.51 v1@2494.05,4802.51 ; v1(4334.18,3997.36) IC19.Y16@4353.87,3977.67
  L8 w4: v1(2494.69,4803.64) 2494.69,4772.5 2527.55,4739.64 2617.69,4739.64 2709.69,4647.64 2711.69,4645.64 2863.83,4645.64 2900.83,4682.64 4058.36,4682.64 4308.69,4432.31 4308.69,4084.36 4309.97,4084.36 4315.22,4079.11 4315.22,4055.11 4322.69,4047.64 4322.69,4020.64 4334.18,4009.14 v1(4334.18,3997.36)